# Altium PCB BPod Panel Due.PcbDoc (part 5 of 5)
Units mm, origin at the board's own origin, x right, y up, seen from the top; angles counter-clockwise.
Board outline 420 x 122 mm, 4 copper layers (Top Layer, Layer 2, Layer 3, Bottom Layer), stack 1.571 mm thick; 601 components, 454 nets, 1970 pads, 528 vias.
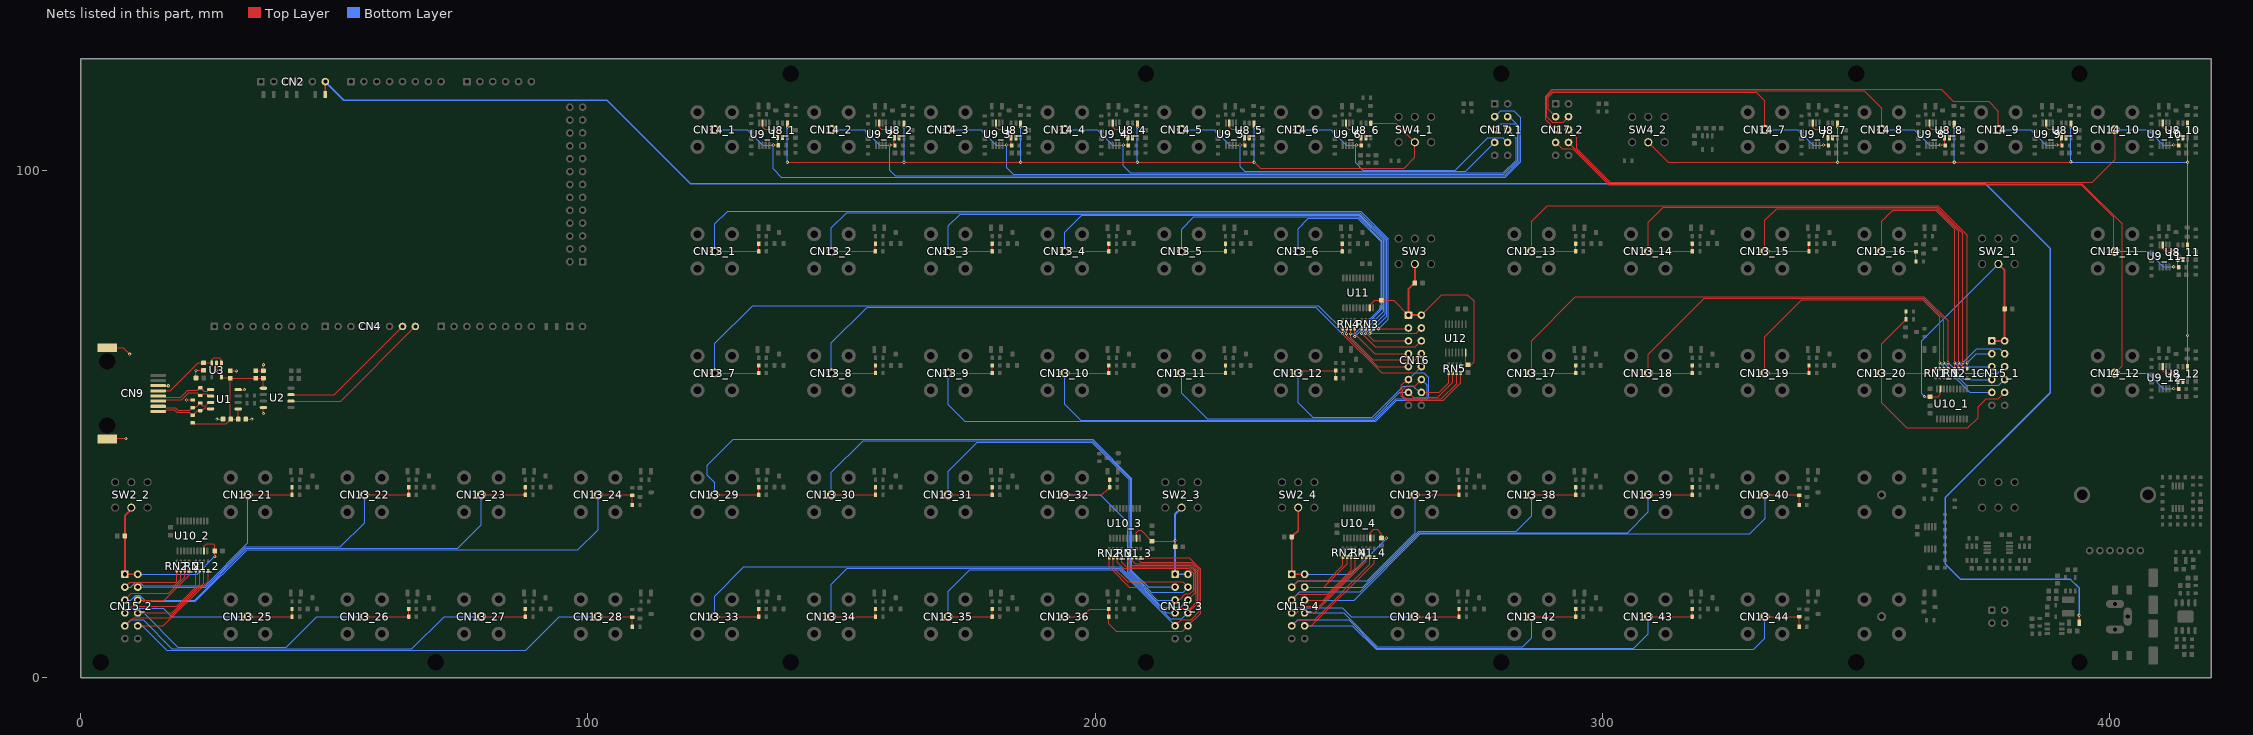
[diagram p7: the nets of this part, all layers, seen from the top]

## Via types
v1: diameter 0.61, hole 0.305, Top Layer to Bottom Layer, tented both sides, 522 vias
v2: diameter 0.5, hole 0.2, Top Layer to Bottom Layer, tented bottom, 6 vias

## Nets (pads, with @x,y where several pads share a name; then routed paths per layer and width w, separated by ;. In a path a pad name is that pad's centre, name@x,y a point inside that pad or via, vN(x,y) a via of type N, cw(c..) or ccw(c..) an arc to the next point about the centre after c; other vN are vias at no path point) (continued)
NetSW4_1_2: SW4_1.2 U8_1.1 U8_2.1 U8_3.1 U8_4.1 U8_5.1 U8_6.1 | length 176.9
  Top Layer w0.152: v1(139.3,101.55) v1(162.3,101.55) v1(208.3,101.55) v1(231.3,101.55) 232.5,100.35 260.85,100.35 263,102.5 SW4_1.2@263,105.5 259.225,109.275 U8_6.1@254.3,109.275 ; v1(139.3,108.5) U8_1.1@139.3,109.275 ; v1(162.3,108.5) U8_2.1@162.3,109.275 ; v1(185.3,108.5) U8_3.1@185.3,109.275 ; v1(208.3,108.5) U8_4.1@208.3,109.275 ; v1(231.3,108.5) U8_5.1@231.3,109.275
  Bottom Layer w0.152: v1(139.3,101.55) v1@139.3,108.475 ; v1(162.3,101.55) v1@162.3,108.475 ; v1(185.3,101.55) v1@185.3,108.475 ; v1(208.3,101.55) v1@208.3,108.475 ; v1(231.3,101.55) v1@231.3,108.475 ; v1(231.3,108.5) v1@231.325,108.475
NetSW4_2_2: SW4_2.2 U8_7.1 U8_8.1 U8_9.1 U8_10.1 U8_11.1 U8_12.1 | length 181.3
  Top Layer w0.152: SW4_2.2@309,105.5 312.95,101.55 v1(369.3,101.55) 369.342,101.591 392.229,101.591 v1(392.3,101.662) ; v1(346.3,108.5) U8_7.1@346.3,109.275 ; v1(369.3,108.5) U8_8.1@369.3,109.275 ; v1(392.3,108.5) U8_9.1@392.3,109.275 ; v1(415.3,60.5) U8_12.1@415.3,61.275 ; v1(415.3,84.5) U8_11.1@415.3,85.275 ; v1(415.3,108.5) U8_10.1@415.3,109.275
  Bottom Layer w0.152: v1(346.3,101.55) v1@346.3,108.475 ; v1(369.3,101.55) v1@369.3,108.475 ; v1@392.3,108.475 392.3,101.55 v1(415.3,101.55) ; v1@415.3,60.525 v1(415.3,67.45) v1(415.3,84.5) ; v1@415.3,84.525 v1(415.3,101.55) ; v1@415.3,108.475 v1(415.3,101.55)
NetU8_1_5: U8_1.5 U9_1.3 | length 5.7
  Top Layer w0.152: U9_1.3@134.425,109.3 134.431,109.294 134.431,108.494 134.85,108.075 136.925,108.075 138.35,106.65 U8_1.5@138.35,106.425
NetU8_2_5: U8_2.5 U9_2.3 | length 5.7
  Top Layer w0.152: U9_2.3@157.425,109.3 157.431,109.294 157.431,108.494 157.85,108.075 159.925,108.075 161.35,106.65 U8_2.5@161.35,106.425
NetU8_3_5: U8_3.5 U9_3.3 | length 5.7
  Top Layer w0.152: U9_3.3@180.425,109.3 180.431,109.294 180.431,108.494 180.85,108.075 182.925,108.075 184.35,106.65 U8_3.5@184.35,106.425
NetU8_4_5: U8_4.5 U9_4.3 | length 5.7
  Top Layer w0.152: U9_4.3@203.425,109.3 203.431,109.294 203.431,108.494 203.85,108.075 205.925,108.075 207.35,106.65 U8_4.5@207.35,106.425
NetU8_5_5: U8_5.5 U9_5.3 | length 5.7
  Top Layer w0.152: U9_5.3@226.425,109.3 226.431,109.294 226.431,108.494 226.85,108.075 228.925,108.075 230.35,106.65 U8_5.5@230.35,106.425
NetU8_6_5: U8_6.5 U9_6.3 | length 5.7
  Top Layer w0.152: U9_6.3@249.425,109.3 249.431,109.294 249.431,108.494 249.85,108.075 251.925,108.075 253.35,106.65 U8_6.5@253.35,106.425
NetU8_7_5: U8_7.5 U9_7.3 | length 5.7
  Top Layer w0.152: U9_7.3@341.425,109.3 341.431,109.294 341.431,108.494 341.85,108.075 343.925,108.075 345.35,106.65 U8_7.5@345.35,106.425
NetU8_8_5: U8_8.5 U9_8.3 | length 5.7
  Top Layer w0.152: U9_8.3@364.425,109.3 364.431,109.294 364.431,108.494 364.85,108.075 366.925,108.075 368.35,106.65 U8_8.5@368.35,106.425
NetU8_9_5: U8_9.5 U9_9.3 | length 5.7
  Top Layer w0.152: U9_9.3@387.425,109.3 387.431,109.294 387.431,108.494 387.85,108.075 389.925,108.075 391.35,106.65 U8_9.5@391.35,106.425
NetU8_10_5: U8_10.5 U9_10.3 | length 5.7
  Top Layer w0.152: U9_10.3@410.425,109.3 410.431,109.294 410.431,108.494 410.85,108.075 412.925,108.075 414.35,106.65 U8_10.5@414.35,106.425
NetU8_11_5: U8_11.5 U9_11.3 | length 5.7
  Top Layer w0.152: U9_11.3@410.425,85.3 410.431,85.294 410.431,84.494 410.85,84.075 412.925,84.075 414.35,82.65 U8_11.5@414.35,82.425
NetU8_12_5: U8_12.5 U9_12.3 | length 5.7
  Top Layer w0.152: U9_12.3@410.425,61.3 410.431,61.294 410.431,60.494 410.85,60.075 412.925,60.075 414.35,58.65 U8_12.5@414.35,58.425
RX_N: CN9.2 R2.1 R4.2 U1.7 | length 11.7
  Top Layer w0.13: CN9.2@15.275,53.46 16.52,53.46 16.811,53.169 18.689,53.169 19.148,52.71 21.518,52.71 22.045,53.236 22.736,53.236 23.25,53.75 23.25,53.841 23.509,54.1 R2.1@23.6,54.1 24.1,53.6 24.669,53.6 25.275,54.206 U1.7@25.625,54.206
RX_P: CN9.1 R1.1 R2.2 U1.8 | length 11.5
  Top Layer w0.13: CN9.1@15.275,52.444 16.52,52.444 16.811,52.735 18.509,52.735 18.968,52.275 21.416,52.275 21.991,51.7 R1.1@22.1,51.7 ; R1.1@22.191,51.7 22.45,51.959 22.45,51.989 23.039,52.579 23.579,52.579 23.793,52.793 24.125,52.793 24.465,53.133 24.889,53.133 25.086,52.936 U1.8@25.625,52.936
S5V: C5.2 C6.2 C7.2 C8.2 C12.2 R1.2 U1.1 U2.1 U3.5 | length 29.8
  Top Layer w0.152: R1.2@22.1,50.2 22.275,50.025 28.675,50.025 29.176,50.526 29.182,50.526 29.575,50.92 C5.2@29.575,50.925 29.55,50.95 29.55,58.9 C12.2@29.5,58.95 ; U3.5@27.75,59.25 27.913,59.088 29.363,59.088 C12.2@29.5,58.95 ; C5.2@29.7,50.925 C6.2@31.125,50.925 ; C6.2@31.075,50.925 U1.1@31.075,52.861 ; U1.1@31.075,52.936 U1.1@31.15,52.861 ; C6.2@31.125,50.9 C6.2@31.15,50.925 ; U2.1@36.025,57.015 C8.2@36.025,58.95 C12.2@29.5,58.95
SGND: C5.1 C6.1 C7.1 C8.1 C11.1 C12.1 C13.1 CN9.0 CN9.6 R4.1 U1.4 U2.4 U3.2 | length 25
  Top Layer w0.152: CN9.0@5.275,47 5.4,47.125 v1(8.95,47.125) ; CN9.0@5.275,65 8.425,65 v1(9.7,63.725) ; CN9.6@15.275,57.524 v1@17.251,57.524 ; v1(20.9,54.7) R4.1@22.1,54.7 ; C13.1@22.75,59.025 22.75,60.436 22.839,60.525 C11.1@24.25,60.525 ; v1@26.572,60.525 26.791,60.744 U3.2@26.791,61.944 ; v1(26.875,50.925) C5.1@28.075,50.925 ; C12.1@29.5,60.45 v1(30.7,60.45) ; U1.4@31.075,56.746 v1(32.275,56.746) ; C6.1@32.575,50.925 v1(33.775,50.925) ; C7.1@34.525,60.45 C8.1@36.025,60.45 v1(36.025,61.65) ; v1(36.025,52.005) U2.4@36.025,53.205
  other v1: 17.276,57.499 22.75,60.525 26.791,60.525
SIG_IO_CN0: CN13_1.1 CN16.3 R20_1.2 R22_1.2 RN3.8 | length 177.1
  Top Layer w0.152: CN13_1.1@125,83.998 R20_1.2@133.673,83.998 ; R20_1.2@133.675,84 R22_1.2@133.675,85.498 ; R22_1.2@133.675,85.403 R22_1.2@133.675,85.5 ; RN3.8@254.9,68.75 261.59,68.75 CN16.3@261.73,68.89
  Bottom Layer w0.152: CN13_1.1@125,84 125,89.4 127.518,91.918 252.288,91.918 257.722,86.484 257.722,70.622 v1(255.838,68.738)
SIG_IO_CN0_1: CN13_13.1 CN15_1.3 R20_13.2 R22_13.2 RN2_1.5 | length 137.5
  Top Layer w0.152: R20_13.2@294.673,84 CN13_13.1@286,84 286,89.889 289.057,92.946 366.015,92.946 371.825,87.135 v1(371.825,62.025) RN2_1.5@371.825,60.9 ; R20_13.2@294.675,84.002 R22_13.2@294.675,85.5 R22_13.2@294.675,85.403
  Bottom Layer w0.152: v1(371.825,62.025) 373.61,63.81 CN15_1.3@376.705,63.81
SIG_IO_CN0_2: CN13_21.1 CN15_2.3 R20_21.2 R22_21.2 RN2_2.5 | length 68.3
  Top Layer w0.152: CN15_2.3@8.73,17.81 9.683,18.763 18.773,18.763 18.975,18.965 RN2_2.5@18.975,21.075 ; 40.275,36 CN13_21.1@33,36 R20_21.2@41.675,36 R22_21.2@41.675,37.5 R22_21.2@41.675,37.4
  Bottom Layer w0.152: CN15_2.3@8.73,17.81 9.922,17.81 10.875,18.763 11.665,18.763 12.339,18.089 24.544,18.089 33,26.545 CN13_21.1@33,36
SIG_IO_CN0_3: CN13_29.1 CN15_3.3 R20_29.2 R22_29.2 RN2_3.5 | length 150
  Top Layer w0.152: CN13_29.1@125,36 R20_29.2@133.675,36 R22_29.2@133.675,37.5 ; RN2_3.5@202.775,23.6 202.775,21.825 203.1,21.5 203.1,21.45 206.74,17.81 CN15_3.3@215.73,17.81
  Bottom Layer w0.152: CN13_29.1@125,36 125,38.436 123.563,39.873 123.563,41.863 128.634,46.934 199.491,46.934 207.225,39.2 207.225,21.066 210.431,17.86 215.68,17.86 CN15_3.3@215.73,17.81
SIG_IO_CN0_4: CN13_37.1 CN15_4.3 R20_37.2 R22_37.2 RN2_4.5 | length 67.3
  Top Layer w0.152: CN15_4.3@238.73,17.81 240.024,19.104 245.779,19.104 248.825,22.15 RN2_4.5@248.825,23.7 ; 270.272,36 CN13_37.1@263,36 R20_37.2@271.675,36 R22_37.2@271.675,37.5 R22_37.2@271.675,37.403
  Bottom Layer w0.152: CN15_4.3@238.73,17.81 239.995,19.075 253.615,19.075 263.102,28.563 263.102,35.898 CN13_37.1@263,36
SIG_IO_CN1: CN13_2.1 CN16.4 R20_2.2 R22_2.2 RN3.7 | length 159.1
  Top Layer w0.152: CN13_2.1@147.965,83.998 R20_2.2@156.638,83.998 ; R20_2.2@156.64,84 R22_2.2@156.64,85.498 ; R22_2.2@156.675,85.403 R22_2.2@156.675,85.5 ; RN3.7@254.1,68.75 254.112,68.738 254.112,67.871 v1(254.125,67.858) ; v1@254.158,67.858 263.238,67.858 CN16.4@264.27,68.89
  Bottom Layer w0.152: CN13_2.1@148,84 148,88.625 151.013,91.638 252.172,91.638 257.443,86.368 257.443,71.176 v1(254.125,67.858)
SIG_IO_CN1_1: CN13_14.1 CN15_1.4 R20_14.2 R22_14.2 RN2_1.6 | length 117.7
  Top Layer w0.152: R20_14.2@317.673,84 CN13_14.1@309,84 309,89.7 311.966,92.666 365.899,92.666 371.025,87.54 v1(371.025,62.025) RN2_1.6@371.025,60.9 ; R20_14.2@317.675,84.002 R22_14.2@317.675,85.5 R22_14.2@317.675,85.403
  Bottom Layer w0.152: v1(371.025,62.025) 373.763,64.763 378.292,64.763 CN15_1.4@379.245,63.81
SIG_IO_CN1_2: CN13_22.1 CN15_2.4 R20_22.2 R22_22.2 RN2_2.6 | length 83.9
  Top Layer w0.152: CN15_2.4@11.27,17.81 18.215,17.81 19.775,19.37 RN2_2.6@19.775,21.075 ; 63.275,36 CN13_22.1@56,36 R20_22.2@64.675,36 R22_22.2@64.675,37.5 R22_22.2@64.675,37.4
  Bottom Layer w0.152: CN15_2.4@11.27,17.81 24.66,17.81 32.584,25.734 51.209,25.734 56,30.525 CN13_22.1@56,36
SIG_IO_CN1_3: CN13_30.1 CN15_3.4 R20_30.2 R22_30.2 RN2_3.6 | length 136.3
  Top Layer w0.152: 155.272,36 CN13_30.1@148,36 R20_30.2@156.675,36 R22_30.2@156.675,37.5 ; RN2_3.6@203.575,23.6 203.575,21.675 206.4,18.85 217.23,18.85 CN15_3.4@218.27,17.81
  Bottom Layer w0.152: CN13_30.1@148,36 148,40.425 154.229,46.654 199.375,46.654 206.946,39.084 206.946,20.95 211.046,16.85 217.31,16.85 CN15_3.4@218.27,17.81
SIG_IO_CN1_4: CN13_38.1 CN15_4.4 R20_38.2 R22_38.2 RN2_4.6 | length 83.8
  Top Layer w0.152: CN15_4.4@241.27,17.81 245.01,17.81 249.625,22.425 RN2_4.6@249.625,23.7 ; 293.272,36 CN13_38.1@286,36 R20_38.2@294.675,36 R22_38.2@294.675,37.5 R22_38.2@294.675,37.403
  Bottom Layer w0.152: CN15_4.4@241.27,17.81 252.745,17.81 263.785,28.85 282.95,28.85 286,31.9 CN13_38.1@286,36
SIG_IO_CN2: CN13_3.1 CN16.5 R20_3.2 R22_3.2 RN3.6 | length 135.4
  Top Layer w0.152: CN13_3.1@171,83.998 R20_3.2@179.673,83.998 ; R20_3.2@179.675,84 R22_3.2@179.675,85.498 ; R22_3.2@179.675,85.403 R22_3.2@179.675,85.5 ; v1@253.3,67.825 RN3.6@253.3,68.75 253.398,68.652 253.398,68.046 253.375,68.024 253.375,67.825 254.85,66.35 CN16.5@261.73,66.35
  Bottom Layer w0.152: CN13_3.1@171,84 171,89 173.359,91.359 252.056,91.359 257.163,86.252 257.163,71.688 v1(253.288,67.812)
SIG_IO_CN2_1: CN13_15.1 CN15_1.5 R20_15.2 R22_15.2 RN2_1.7 | length 91.2
  Top Layer w0.152: R20_15.2@340.673,84 CN13_15.1@332,84 332,90.1 334.287,92.387 365.783,92.387 369.937,88.233 370.225,87.945 v1(370.225,62.025) RN2_1.7@370.225,60.9 ; R20_15.2@340.675,84.002 R22_15.2@340.675,85.5 R22_15.2@340.675,85.403
  Bottom Layer w0.152: v1(370.225,62.025) 370.98,61.27 CN15_1.5@376.705,61.27
SIG_IO_CN2_2: CN13_23.1 CN15_2.5 R20_23.2 R22_23.2 RN2_2.7 | length 115.7
  Top Layer w0.152: CN15_2.5@8.73,15.27 10.035,16.575 17.375,16.575 20.575,19.775 RN2_2.7@20.575,21.075 ; 86.275,36 CN13_23.1@79,36 R20_23.2@87.675,36 R22_23.2@87.675,37.5 R22_23.2@87.675,37.4
  Bottom Layer w0.152: CN15_2.5@8.73,15.27 9.922,15.27 10.875,16.223 11.665,16.223 12.618,15.27 22.515,15.27 32.7,25.454 74.354,25.454 79,30.1 CN13_23.1@79,36
SIG_IO_CN2_3: CN13_31.1 CN15_3.5 R20_31.2 R22_31.2 RN2_3.7 | length 117.3
  Top Layer w0.152: 178.272,36 CN13_31.1@171,36 R20_31.2@179.675,36 R22_31.2@179.675,37.5 ; RN2_3.7@204.375,23.6 204.375,22.75 205.6,21.525 218.443,21.525 219.382,20.586 219.382,17.232 218.653,16.503 217.759,16.503 216.709,15.452 215.912,15.452 CN15_3.5@215.73,15.27
  Bottom Layer w0.152: CN13_31.1@171,36 171,40.65 176.725,46.375 199.26,46.375 206.666,38.969 206.666,20.834 212.231,15.27 CN15_3.5@215.73,15.27
SIG_IO_CN2_4: CN13_39.1 CN15_4.5 R20_39.2 R22_39.2 RN2_4.7 | length 115.1
  Top Layer w0.152: CN15_4.5@238.73,15.27 239.889,16.429 245.729,16.429 250.425,21.126 RN2_4.7@250.425,23.7 ; 316.272,36 CN13_39.1@309,36 R20_39.2@317.675,36 R22_39.2@317.675,37.5 R22_39.2@317.675,37.403
  Bottom Layer w0.152: CN15_4.5@238.73,15.27 240.317,16.857 252.187,16.857 263.9,28.571 304.946,28.571 309,32.625 CN13_39.1@309,36
SIG_IO_CN3: CN13_4.1 CN16.6 R20_4.2 R22_4.2 RN3.5 | length 114.8
  Top Layer w0.152: CN13_4.1@194,83.998 R20_4.2@202.673,83.998 ; R20_4.2@202.675,84 R22_4.2@202.675,85.498 ; R22_4.2@202.675,85.403 R22_4.2@202.675,85.5 ; RN3.5@252.5,68.75 252.5,67.825 255.175,65.15 263.07,65.15 CN16.6@264.27,66.35
  Bottom Layer w0.152: CN13_4.1@194,84 194,87.725 197.354,91.079 251.941,91.079 256.884,86.136 256.884,72.209 v1(252.488,67.812)
SIG_IO_CN3_1: CN13_16.1 CN15_1.6 R20_16.2 R22_16.2 RN2_1.8 | length 70.2
  Top Layer w0.152: R20_16.2@361.75,82 R22_16.2@361.75,83.9 361.65,84 CN13_16.1@355,84 355,89.95 357.157,92.107 365.668,92.107 369.425,88.35 v1(369.425,62.025) RN2_1.8@369.425,60.9
  Bottom Layer w0.152: v1(369.425,62.025) 371.5,59.95 377.925,59.95 CN15_1.6@379.245,61.27
SIG_IO_CN3_2: CN13_24.1 CN15_2.6 R20_24.2 R22_24.2 RN2_2.8 | length 125.3
  Top Layer w0.152: CN15_2.6@11.27,15.27 16.465,15.27 21.375,20.18 RN2_2.8@21.375,21.075 ; CN13_24.1@102,36 108.65,36 R22_24.2@108.75,35.9 R20_24.2@108.75,34
  Bottom Layer w0.152: CN15_2.6@11.27,15.27 12.223,15.27 12.502,14.991 22.631,14.991 32.815,25.175 98.025,25.175 102,29.15 CN13_24.1@102,36
SIG_IO_CN3_3: CN13_32.1 CN15_3.6 R20_32.2 R22_32.2 RN2_3.8 | length 73.1
  Top Layer w0.152: CN13_32.1@194,36 201.325,36 202.479,37.154 202.577,37.154 202.825,37.403 R22_32.2@202.825,39 ; RN2_3.8@205.175,23.6 205.175,22.75 206.075,21.85 218.665,21.85 219.662,20.853 219.662,16.662 CN15_3.6@218.27,15.27
  Bottom Layer w0.152: CN13_32.1@194,36 200.971,36 206.387,30.584 206.387,20.719 213.217,13.888 216.888,13.888 CN15_3.6@218.27,15.27
SIG_IO_CN3_4: CN13_40.1 CN15_4.6 R20_40.2 R22_40.2 RN2_4.8 | length 125.5
  Top Layer w0.152: CN15_4.6@241.27,15.27 244.964,15.27 251.225,21.531 RN2_4.8@251.225,23.7 ; CN13_40.1@332,36 R22_40.2@338.75,36 ; R20_40.2@338.75,34 R22_40.2@338.75,35.9
  Bottom Layer w0.152: CN15_4.6@241.27,15.27 250.995,15.27 264.016,28.291 328.991,28.291 332.05,31.35 332.05,35.95 CN13_40.1@332,36
SIG_IO_CN4: CN13_5.1 CN16.7 R20_5.2 R22_5.2 RN4.8 | length 91.9
  Top Layer w0.152: CN13_5.1@217,83.998 R20_5.2@225.673,83.998 ; R20_5.2@225.675,84 R22_5.2@225.675,85.498 ; R22_5.2@225.675,85.403 R22_5.2@225.675,85.5 ; v1(251.137,67.204) 251.392,67.458 ; RN4.8@251.15,68.75 251.15,68.09 251.392,67.848 251.392,67.458 ; CN16.7@261.73,63.81 255.04,63.81 251.392,67.459
  Bottom Layer w0.152: CN13_5.1@217,84 217,88.375 219.425,90.8 251.825,90.8 256.604,86.021 256.604,72.671 v1(251.137,67.204)
SIG_IO_CN4_1: CN13_17.1 CN15_1.7 R20_17.2 R22_17.2 RN1_1.5 | length 123.7
  Top Layer w0.152: R20_17.2@294.673,60 CN13_17.1@286,60 286,66.4 294.634,75.034 363.316,75.034 368.075,70.275 v1(368.075,62.025) RN1_1.5@368.075,60.9 ; R20_17.2@294.675,60.002 R22_17.2@294.675,61.5 R22_17.2@294.675,61.403
  Bottom Layer w0.152: v1(368.075,62.025) 371.37,58.73 CN15_1.7@376.705,58.73
SIG_IO_CN4_2: CN13_25.1 CN15_2.7 R20_25.2 R22_25.2 RN1_2.5 | length 62.2
  Top Layer w0.152: CN15_2.7@8.73,12.73 10.05,14.05 18.975,14.05 22.725,17.8 RN1_2.5@22.725,21.075 ; 40.272,12 CN13_25.1@33,12 R20_25.2@41.675,12 R22_25.2@41.675,13.5
  Bottom Layer w0.152: CN15_2.7@8.73,12.73 9.683,13.683 16.301,13.683 17.984,12 CN13_25.1@33,12
SIG_IO_CN4_3: CN13_33.1 CN15_3.7 R20_33.2 R22_33.2 RN1_3.5 | length 144.8
  Top Layer w0.152: 132.272,12 CN13_33.1@125,12 R20_33.2@133.675,12 R22_33.2@133.675,13.5 R22_33.2@133.675,13.403 ; RN1_3.5@206.525,23.6 206.525,22.625 207,22.15 218.76,22.15 219.941,20.969 219.941,14.796 218.828,13.683 216.683,13.683 CN15_3.7@215.73,12.73
  Bottom Layer w0.152: CN13_33.1@125,12 125,16.05 130.754,21.804 204.906,21.804 213.98,12.73 CN15_3.7@215.73,12.73
SIG_IO_CN4_4: CN13_41.1 CN15_4.7 R20_41.2 R22_41.2 RN1_4.5 | length 62.1
  Top Layer w0.152: CN15_4.7@238.73,12.73 238.789,12.789 239.709,12.789 240.949,14.029 244.119,14.029 252.575,22.485 RN1_4.5@252.575,23.7 ; 270.272,12 CN13_41.1@263,12 R20_41.2@271.675,12 R22_41.2@271.675,13.5 R22_41.2@271.675,13.403
  Bottom Layer w0.152: CN15_4.7@238.73,12.73 239.75,13.75 248.675,13.75 250.425,12 CN13_41.1@263,12
SIG_IO_CN5: CN13_6.1 CN16.8 R20_6.2 R22_6.2 RN4.7 | length 73
  Top Layer w0.152: CN13_6.1@240,83.998 R20_6.2@248.673,83.998 ; R20_6.2@248.675,84 R22_6.2@248.675,85.498 ; R22_6.2@248.675,85.403 R22_6.2@248.675,85.5 ; v1(250.337,67.712) 250.337,66.978 254.683,62.632 263.093,62.632 CN16.8@264.27,63.81 ; v1@250.35,67.712 RN4.7@250.35,68.75
  Bottom Layer w0.152: CN13_6.1@240,84 240,88.475 242.025,90.5 251.73,90.5 256.325,85.905 256.325,72.85 251.187,67.712 v1(250.337,67.712)
SIG_IO_CN5_1: CN13_18.1 CN15_1.8 R20_18.2 R22_18.2 RN1_1.6 | length 102.5
  Top Layer w0.152: R20_18.2@317.673,60 CN13_18.1@309,60 309,63.678 320.076,74.754 363.2,74.754 367.275,70.68 v1(367.275,62.025) RN1_1.6@367.275,60.9 ; R20_18.2@317.675,60.002 R22_18.2@317.675,61.5 R22_18.2@317.675,61.403
  Bottom Layer w0.152: v1(367.275,62.025) 371.7,57.6 378.115,57.6 CN15_1.8@379.245,58.73
SIG_IO_CN5_2: CN13_26.1 CN15_2.8 R20_26.2 R22_26.2 RN1_2.6 | length 85
  Top Layer w0.152: CN15_2.8@11.27,12.73 18.05,12.73 23.525,18.205 RN1_2.6@23.525,21.075 ; 63.272,12 CN13_26.1@56,12 R20_26.2@64.675,12 R22_26.2@64.675,13.5 R22_26.2@64.675,13.403
  Bottom Layer w0.152: CN15_2.8@11.27,12.73 12.42,12.73 19.175,5.975 40.575,5.975 46.6,12 CN13_26.1@56,12
SIG_IO_CN5_3: CN13_34.1 CN15_3.8 R20_34.2 R22_34.2 RN1_3.6 | length 123.6
  Top Layer w0.152: 155.272,12 CN13_34.1@148,12 R20_34.2@156.675,12 R22_34.2@156.675,13.5 R22_34.2@156.675,13.403 ; RN1_3.6@207.325,23.6 207.325,23.004 207.9,22.429 218.875,22.429 220.221,21.084 220.221,14.681 CN15_3.8@218.27,12.73
  Bottom Layer w0.152: CN13_34.1@148,12 148,18.425 151.1,21.525 204.79,21.525 214.765,11.55 217.09,11.55 CN15_3.8@218.27,12.73
SIG_IO_CN5_4: CN13_42.1 CN15_4.8 R20_42.2 R22_42.2 RN1_4.6 | length 87
  Top Layer w0.152: CN15_4.8@241.27,12.73 243.215,12.73 253.375,22.89 RN1_4.6@253.375,23.7 ; 293.272,12 CN13_42.1@286,12 R20_42.2@294.675,12 R22_42.2@294.675,13.5 R22_42.2@294.675,13.403
  Bottom Layer w0.152: CN15_4.8@241.27,12.73 248.935,12.73 255.581,6.084 284.209,6.084 286,7.875 CN13_42.1@286,12
SIG_IO_CN6: CN13_7.1 CN16.9 R20_7.2 R22_7.2 RN4.6 | length 162.2
  Top Layer w0.152: CN13_7.1@125,60 133.673,60 R20_7.2@133.675,60.002 R22_7.2@133.675,61.5 R22_7.2@133.675,61.403 ; v1(249.537,67.712) 249.597,67.653 249.597,67.323 255.65,61.27 CN16.9@261.73,61.27 ; v1@249.55,67.712 RN4.6@249.55,68.75
  Bottom Layer w0.152: CN13_7.1@125,60 125,65.85 132.457,73.307 243.943,73.307 v1(249.537,67.712)
SIG_IO_CN6_1: CN13_19.1 CN15_1.9 R20_19.2 R22_19.2 RN1_1.7 | length 79.2
  Top Layer w0.152: R20_19.2@340.673,60 CN13_19.1@332,60 332,67.199 339.276,74.475 363.085,74.475 366.475,71.085 v1(366.475,62.025) RN1_1.7@366.475,60.9 ; R20_19.2@340.675,60.002 R22_19.2@340.675,61.5 R22_19.2@340.675,61.403
  Bottom Layer w0.152: v1(366.475,62.025) 372.31,56.19 CN15_1.9@376.705,56.19
SIG_IO_CN6_2: CN13_27.1 CN15_2.9 R20_27.2 R22_27.2 RN1_2.7 | length 107.4
  Top Layer w0.152: CN15_2.9@8.73,10.19 8.915,10.19 10.502,11.777 17.502,11.777 24.325,18.6 RN1_2.7@24.325,21.075 ; CN13_27.1@79,12 R20_27.2@87.675,12 R22_27.2@87.675,13.5
  Bottom Layer w0.152: CN15_2.9@8.73,10.19 9.89,11.35 12.325,11.35 18,5.675 65.325,5.675 71.65,12 CN13_27.1@79,12
SIG_IO_CN6_3: CN13_35.1 CN15_3.9 R20_35.2 R22_35.2 RN1_3.7 | length 101.1
  Top Layer w0.152: 178.272,12 CN13_35.1@171,12 R20_35.2@179.675,12 R22_35.2@179.675,13.5 R22_35.2@179.675,13.403 ; RN1_3.7@208.125,23.6 208.125,23.526 208.926,22.725 218.975,22.725 220.5,21.2 220.5,13.025 218.9,11.425 216.965,11.425 CN15_3.9@215.73,10.19
  Bottom Layer w0.152: CN13_35.1@171,12 171,16.975 175.25,21.225 204.695,21.225 CN15_3.9@215.73,10.19
SIG_IO_CN6_4: CN13_43.1 CN15_4.9 R20_43.2 R22_43.2 RN1_4.7 | length 109.7
  Top Layer w0.152: CN15_4.9@238.73,10.19 239.969,11.429 243.254,11.429 254.105,22.28 254.105,23.63 RN1_4.7@254.175,23.7 ; CN13_43.1@309,12 R20_43.2@317.675,12 R22_43.2@317.675,13.5 R22_43.2@317.675,13.403
  Bottom Layer w0.152: CN15_4.9@238.73,10.19 239.89,11.35 249.92,11.35 255.466,5.804 306.129,5.804 309,8.675 CN13_43.1@309,12
SIG_IO_CN7: CN13_8.1 CN16.10 R20_8.2 R22_8.2 RN4.5 | length 142.3
  Top Layer w0.152: CN13_8.1@148,60 R20_8.2@156.673,60 ; R20_8.2@156.675,60.002 R22_8.2@156.675,61.5 R22_8.2@156.675,61.403 ; RN4.5@248.75,68.75 248.737,68.738 248.737,67.812 v1(248.725,67.8) 256.462,60.063 263.063,60.063 CN16.10@264.27,61.27
  Bottom Layer w0.152: CN13_8.1@148,60 148,65.975 155.053,73.028 243.497,73.028 v1(248.725,67.8)
SIG_IO_CN7_1: CN13_20.1 CN15_1.10 R20_20.2 R22_20.2 RN1_1.8 | length 61.4
  Top Layer w0.152: R20_20.2@359.775,72.125 R22_20.2@359.775,70.625 359.775,70.525 355,65.75 CN13_20.1@355,60 ; RN1_1.8@365.675,60.9 364.525,60.9 363.625,60 CN13_20.1@355,60 ; CN15_1.10@379.245,56.19 378.005,54.95 375.6,54.95 374,53.35 374,51.225 372,49.225 359.975,49.225 355,54.2 CN13_20.1@355,60
SIG_IO_CN7_2: CN13_28.1 CN15_2.10 R20_28.2 R22_28.2 RN1_2.8 | length 123.7
  Top Layer w0.152: CN15_2.10@11.27,10.19 16.34,10.19 25.125,18.975 RN1_2.8@25.125,21.075 ; CN13_28.1@102,12 108.65,12 R22_28.2@108.75,11.9 R20_28.2@108.75,10
  Bottom Layer w0.152: CN15_2.10@11.27,10.19 12.223,10.19 12.278,10.135 17.017,5.396 87.771,5.396 94.375,12 CN13_28.1@102,12
SIG_IO_CN7_3: CN13_36.1 CN15_3.10 R20_36.2 R22_36.2 RN1_3.8 | length 53.8
  Top Layer w0.152: CN13_36.1@194,12 197.425,12 198.925,13.5 R22_36.2@202.675,13.5 R20_36.2@202.675,12 202.675,10.625 204.175,9.125 217.205,9.125 CN15_3.10@218.27,10.19 220.779,12.699 220.779,21.316 218.495,23.6 RN1_3.8@208.925,23.6
SIG_IO_CN7_4: CN13_44.1 CN15_4.10 R20_44.2 R22_44.2 RN1_4.8 | length 126.6
  Top Layer w0.152: CN15_4.10@241.27,10.19 242.615,10.19 254.975,22.55 RN1_4.8@254.975,23.7 ; CN13_44.1@332,12 R22_44.2@338.75,12 ; R20_44.2@338.75,10.1 R22_44.2@338.75,12 ; R22_44.2@338.75,12.125 R22_44.2@338.75,12
  Bottom Layer w0.152: CN15_4.10@241.27,10.19 250.685,10.19 255.35,5.525 329.75,5.525 332,7.775 CN13_44.1@332,12
SIG_IO_CN8: CN13_9.1 CN16.11 R20_9.2 R22_9.2 RN5.8 | length 142.7
  Top Layer w0.152: CN13_9.1@171,60 R20_9.2@179.673,60 ; R20_9.2@179.675,60.002 R22_9.2@179.675,61.5 R22_9.2@179.675,61.403 ; CN16.11@261.73,58.73 261.48,58.73 260.346,57.596 260.346,55.459 260.375,55.43 260.375,55.4 261.15,54.625 268.6,54.625 272.05,58.075 RN5.8@272.05,59.975
  Bottom Layer w0.152: CN13_9.1@171,60 171,53.725 174.25,50.475 255.275,50.475 259.446,54.646 265.091,54.646 265.704,55.259 265.704,59.116 264.77,60.05 263.05,60.05 CN16.11@261.73,58.73
SIG_IO_CN9: CN13_10.1 CN16.12 R20_10.2 R22_10.2 RN5.7 | length 114.7
  Top Layer w0.152: CN13_10.1@194,60 R20_10.2@202.673,60 ; R20_10.2@202.675,60.002 R22_10.2@202.675,61.5 R22_10.2@202.675,61.403 ; CN16.12@264.27,58.73 263.04,57.5 261.425,57.5 260.625,56.7 260.625,55.575 261.296,54.904 268.204,54.904 271.25,57.95 RN5.7@271.25,59.975
  Bottom Layer w0.152: CN13_10.1@194,60 194,53.854 197.1,50.754 255.104,50.754 259.275,54.925 264.975,54.925 265.425,55.375 265.425,57.575 CN16.12@264.27,58.73
SIG_IO_CN10: CN13_11.1 CN16.13 R20_11.2 R22_11.2 RN5.6 | length 75.2
  Top Layer w0.152: CN13_11.1@217,60 R20_11.2@225.673,60 ; R20_11.2@225.675,60.002 R22_11.2@225.675,61.5 R22_11.2@225.675,61.403 ; CN16.13@261.73,56.19 262.683,55.237 267.462,55.237 270.45,58.225 RN5.6@270.45,59.975
  Bottom Layer w0.152: CN13_11.1@217,60 217,56.075 222.041,51.034 254.859,51.034 260.015,56.19 CN16.13@261.73,56.19
SIG_IO_CN11: CN13_12.1 CN16.14 R20_12.2 R22_12.2 RN5.5 | length 51.5
  Top Layer w0.152: CN13_12.1@240,60 240.413,60 240.913,60.5 R22_12.2@247.4,60.5 ; R20_12.2@247.4,59 R22_12.2@247.4,60.498 ; CN16.14@264.27,56.19 267.79,56.19 269.65,58.05 RN5.5@269.65,59.975
  Bottom Layer w0.152: CN13_12.1@240,60 240,54.15 242.837,51.313 254.577,51.313 260.689,57.425 262.67,57.425 263.905,56.19 CN16.14@264.27,56.19
SIG_THRU_A0_1: CN14_1.1 CN17_1.3 R24_1.2 U8_1.4 | length 184
  Top Layer w0.152: v1(136.525,104.963) R24_1.2@137.463,104.963 ; U8_1.4@137.4,106.425 137.4,105.025 R24_1.2@137.463,104.963 ; R24_1.2@137.525,104.9 R24_1.2@137.463,104.963
  Bottom Layer w0.152: CN14_1.1@125,108 131.425,108 134.475,104.95 136.513,104.95 v1(136.525,104.963) 136.525,100.25 138.15,98.625 280.785,98.625 283.813,101.653 283.813,110.312 282.438,111.687 279.877,111.687 CN17_1.3@278.73,110.54
SIG_THRU_A0_2: CN14_7.1 CN17_2.3 R24_7.2 U8_7.4 | length 69.2
  Top Layer w0.152: CN17_2.3@290.73,110.54 289.309,111.961 289.309,114.384 290.3,115.375 330.3,115.375 332,113.675 CN14_7.1@332,108 ; v1(343.525,104.963) R24_7.2@344.463,104.963 ; U8_7.4@344.4,106.425 344.4,105.025 R24_7.2@344.463,104.963 ; R24_7.2@344.525,104.9 R24_7.2@344.463,104.963
  Bottom Layer w0.152: CN14_7.1@332,108 338.425,108 341.475,104.95 343.512,104.95 v1(343.525,104.963)
SIG_THRU_A1_1: CN14_2.1 CN17_1.4 R24_2.2 U8_2.4 | length 155.8
  Top Layer w0.152: v1(159.525,104.963) R24_2.2@160.463,104.963 ; U8_2.4@160.4,106.425 U8_2.4@160.4,106.4 160.4,105.025 R24_2.2@160.463,104.963 ; R24_2.2@160.525,104.9 R24_2.2@160.463,104.963
  Bottom Layer w0.152: CN14_2.1@148,108 154.425,108 157.475,104.95 159.513,104.95 v1(159.525,104.963) 159.525,99.975 160.596,98.904 280.67,98.904 283.534,101.769 283.534,108.561 281.555,110.54 CN17_1.4@281.27,110.54
SIG_THRU_A1_2: CN14_8.1 CN17_2.4 R24_8.2 U8_8.4 | length 96.5
  Top Layer w0.152: CN17_2.4@293.27,110.54 292.205,109.475 290.05,109.475 289.029,110.496 289.029,114.5 290.184,115.654 351.546,115.654 355,112.2 CN14_8.1@355,108 ; v1(366.525,104.963) R24_8.2@367.463,104.963 ; U8_8.4@367.4,106.425 367.4,105.025 R24_8.2@367.463,104.963 ; R24_8.2@367.525,104.9 R24_8.2@367.463,104.963
  Bottom Layer w0.152: CN14_8.1@355,108 361.425,108 364.475,104.95 366.512,104.95 v1(366.525,104.963)
SIG_THRU_A2_1: CN14_3.1 CN17_1.5 R24_3.2 U8_3.4 | length 134
  Top Layer w0.152: v1(182.525,104.963) R24_3.2@183.463,104.963 ; U8_3.4@183.4,106.425 183.4,105.025 R24_3.2@183.463,104.963 ; R24_3.2@183.525,104.9 R24_3.2@183.463,104.963
  Bottom Layer w0.152: CN14_3.1@171,108 177.425,108 180.475,104.95 182.513,104.95 v1(182.525,104.963) 182.525,100.509 183.85,99.184 280.554,99.184 283.254,101.884 283.254,108.446 282.55,109.15 279.88,109.15 CN17_1.5@278.73,108
SIG_THRU_A2_2: CN14_9.1 CN17_2.5 R24_9.2 U8_9.4 | length 118
  Top Layer w0.152: CN17_2.5@290.73,108 288.75,109.98 288.75,114.615 290.069,115.934 366.716,115.934 369.075,113.575 376.075,113.575 378,111.65 CN14_9.1@378,108 ; v1(389.525,104.963) R24_9.2@390.463,104.963 ; U8_9.4@390.4,106.425 390.4,105.025 R24_9.2@390.463,104.963 ; R24_9.2@390.525,104.9 R24_9.2@390.463,104.963
  Bottom Layer w0.152: CN14_9.1@378,108 384.425,108 387.475,104.95 389.512,104.95 v1(389.525,104.963)
SIG_THRU_A3_1: CN14_4.1 CN17_1.6 R24_4.2 U8_4.4 | length 105.2
  Top Layer w0.152: v1(205.525,104.963) R24_4.2@206.463,104.963 ; U8_4.4@206.4,106.425 U8_4.4@206.4,106.4 206.4,105.025 R24_4.2@206.463,104.963 ; R24_4.2@206.525,104.9 R24_4.2@206.463,104.963
  Bottom Layer w0.152: CN14_4.1@194,108 200.425,108 203.475,104.95 205.512,104.95 v1(205.525,104.963) 205.525,100.85 206.912,99.463 280.438,99.463 282.975,102 282.975,106.295 CN17_1.6@281.27,108
SIG_THRU_A3_2: CN14_10.1 CN17_2.6 R24_10.2 U8_10.4 | length 136.3
  Top Layer w0.152: CN17_2.6@293.27,108 294.925,106.345 294.925,104.2 301.491,97.634 396.484,97.634 401,102.15 CN14_10.1@401,108 ; v1(412.525,104.963) R24_10.2@413.463,104.963 ; U8_10.4@413.4,106.425 413.4,105.025 R24_10.2@413.463,104.963 ; R24_10.2@413.525,104.9 R24_10.2@413.463,104.963
  Bottom Layer w0.152: CN14_10.1@401,108 407.425,108 410.475,104.95 412.512,104.95 v1(412.525,104.963)
SIG_THRU_A4_1: CN14_5.1 CN17_1.7 R24_5.2 U8_5.4 | length 72.6
  Top Layer w0.152: v1(228.525,104.963) R24_5.2@229.463,104.963 ; U8_5.4@229.4,106.425 U8_5.4@229.4,106.4 229.4,105.025 R24_5.2@229.463,104.963 ; R24_5.2@229.525,104.9 R24_5.2@229.463,104.963
  Bottom Layer w0.152: CN14_5.1@217,108 223.425,108 226.475,104.95 228.512,104.95 v1(228.525,104.963) 228.525,100.638 229.421,99.743 273.013,99.743 CN17_1.7@278.73,105.46
SIG_THRU_A4_2: CN14_11.1 CN17_2.7 R24_11.2 U8_11.4 | length 138.2
  Top Layer w0.152: CN17_2.7@290.73,105.46 292.015,104.175 294.075,104.175 301.175,97.075 394.35,97.075 400.721,90.704 400.721,84.279 CN14_11.1@401,84 ; v1(412.525,80.963) R24_11.2@413.463,80.963 ; U8_11.4@413.4,82.425 413.4,81.025 R24_11.2@413.463,80.963 ; R24_11.2@413.525,80.9 R24_11.2@413.463,80.963
  Bottom Layer w0.152: CN14_11.1@401,84 407.425,84 410.475,80.95 412.513,80.95 v1(412.525,80.963)
SIG_THRU_A5_1: CN14_6.1 CN17_1.8 R24_6.2 U8_6.4 | length 52.3
  Top Layer w0.152: v1(251.45,104.963) 252.112,104.963 252.2,104.875 252.4,105.075 U8_6.4@252.4,106.4
  Bottom Layer w0.152: CN14_6.1@240,108 246.425,108 249.475,104.95 v1@251.3,104.95 ; v1@251.3,104.963 v1@251.3,104.95 ; v1@251.525,104.963 251.512,104.95 v1@251.3,104.95 ; CN17_1.8@281.27,105.46 280.317,106.413 277.363,106.413 270.972,100.022 252.721,100.022 251.3,101.443 v1@251.3,104.95
SIG_THRU_A5_2: CN14_12.1 CN17_2.8 R24_12.2 U8_12.4 | length 161.1
  Top Layer w0.152: CN17_2.8@293.27,105.46 301.376,97.354 394.466,97.354 402.403,89.417 402.403,61.403 CN14_12.1@401,60 ; v1(412.525,56.963) R24_12.2@413.463,56.963 ; U8_12.4@413.4,58.425 413.4,57.025 R24_12.2@413.463,56.963 ; R24_12.2@413.525,56.9 R24_12.2@413.463,56.963
  Bottom Layer w0.152: CN14_12.1@401,60 407.425,60 410.475,56.95 412.513,56.95 v1(412.525,56.963)
SVCC: C11.2 CN9.5 U3.1 U3.3 | length 16.5
  Top Layer w0.152: CN9.5@15.275,56.508 17.683,56.508 23.2,62.025 C11.2@24.25,62.025 24.275,62 25.8,62 U3.3@25.85,61.95 25.85,62.6 26.3,63.05 27.301,63.05 27.75,62.601 U3.1@27.75,61.95
TX_N: CN9.3 R6.2 U1.6 | length 11.6
  Top Layer w0.13: CN9.3@15.275,54.476 16.52,54.476 16.811,54.767 19.905,54.767 21.278,56.14 22.974,56.14 23.24,55.874 23.24,55.869 23.509,55.6 23.709,55.6 24.087,55.978 24.825,55.978 25.327,55.476 U1.6@25.625,55.476
TX_P: CN9.4 R6.1 U1.5 | length 11.8
  Top Layer w0.13: CN9.4@15.275,55.492 16.52,55.492 16.811,55.201 19.725,55.201 21.098,56.575 22.984,56.575 23.509,57.1 23.697,57.1 24.138,56.66 24.138,56.516 24.241,56.413 24.941,56.413 25.275,56.746 U1.5@25.625,56.746
UART.RXD: CN4.8 U2.6 | length 30.6
  Top Layer w0.152: U2.6@41.475,54.475 51.273,54.475 CN4.8@65.996,69.198
UART.TXD: CN4.7 U2.7 | length 27.6
  Top Layer w0.152: U2.7@41.475,55.745 50.003,55.745 CN4.7@63.456,69.198
VCOM+: C27.2 C28.2 C29.2 CN16.1 CN16.2 SW3.2 U11.19 U12.14 | length 51.5
  Top Layer w0.152: U11.19@254.1,72.875 254.1,73.35 255.125,74.375 C28.2@256.35,74.375 258.785,74.375 CN16.1@261.73,71.43 ; CN16.2@264.27,71.43 268.315,75.475 273.3,75.475 274.65,74.125 274.65,62.2 274.089,61.639 273.455,61.639 272.975,62.12 U12.14@272.975,64.05
  Top Layer w0.381: SW3.2@263,81.5 263,77.725 262.741,77.465 262.716,77.465 261.73,76.48 CN16.1@261.73,71.43 CN16.2@264.27,71.43
VCOM+_1: C23_1.2 C24_1.2 CN15_1.1 CN15_1.2 SW2_1.2 U10_1.19 | length 55.2
  Top Layer w0.152: v1(363.45,55.375) C23_1.2@364.55,55.375 366.15,55.375 366.575,55.8 U10_1.19@366.575,56.875
  Top Layer w0.381: CN15_1.1@376.705,66.35 CN15_1.2@379.245,66.35 C24_1.2@379.245,72.657 379.245,80.255 SW2_1.2@378,81.5
  Bottom Layer w0.152: v1(363.45,55.375) 362.879,55.946 362.879,66.379 SW2_1.2@378,81.5
VCOM+_2: C23_2.2 C24_2.2 CN15_2.1 CN15_2.2 SW2_2.2 U10_2.19 | length 38.5
  Top Layer w0.152: U10_2.19@24.325,24.95 24.325,25.9 24.825,26.4 26.175,26.4 26.475,26.1 C23_2.2@26.475,24.95 v1(26.475,23.875)
  Top Layer w0.381: SW2_2.2@10,33.5 10,33.2 8.73,31.93 8.73,22.75 CN15_2.1@8.73,20.35 CN15_2.2@11.27,20.35
  Bottom Layer w0.152: CN15_2.2@11.27,20.35 22.95,20.35 v1(26.475,23.875)
VCOM+_3: C23_3.2 C24_3.2 CN15_3.1 CN15_3.2 SW2_3.2 U10_3.19 | length 27.2
  Top Layer w0.152: U10_3.19@208.125,27.45 208.125,28.55 208.575,29 209.025,29 211.125,26.9 C23_3.2@211.15,26.9 v1@215.725,26.9 ; C24_3.2@215.725,25.775 v1@215.725,26.9 ; v1(215.725,26.975) v1@215.725,26.9
  Bottom Layer w0.381: SW2_3.2@217,33.5 215.73,32.23 CN15_3.1@215.73,20.35 CN15_3.2@218.27,20.35
VCOM+_4: C23_4.2 C24_4.2 CN15_4.1 CN15_4.2 SW2_4.2 U10_4.19 | length 41
  Top Layer w0.152: U10_4.19@254.225,27.5 254.225,28.55 254.85,29.175 255.55,29.175 256.4,28.325 C23_4.2@256.4,27.5 v1(257.375,27.5)
  Top Layer w0.381: SW2_4.2@240,33.5 240,28.95 239.06,28.009 238.99,28.009 238.73,27.75 CN15_4.1@238.73,20.35 CN15_4.2@241.27,20.35
  Bottom Layer w0.152: CN15_4.2@241.27,20.35 250.225,20.35 ; 250.375,20.35 v1@257.525,27.5
VIN: C3.1 CN2.6 FB2.1 | length 462.1
  Top Layer w0.305: C3.1@48.216,114.875 CN2.6@48.216,117.443 ; FB2.1@393.925,10.8 v1(393.925,12.275)
  Bottom Layer w0.305: CN2.6@48.216,117.443 51.859,113.8 103.751,113.8 120.226,97.325 375.447,97.325 388.211,84.561 388.211,56.15 367.5,35.439 367.5,22.425 370.6,19.325 392.225,19.325 393.925,17.625 v1@393.925,12.284
pads on no net: CN1.1 CN2.1 CN9. CN9.7 CN9.8 R33.0 U4.6 U7.6 U12.6 U12.9 U15.4

## Polygon pours and split planes (outlines as drawn)
GND on Layer 2 "GND_L02_P015" (solid, remove dead copper, pour order 15): 420,0 420,122 0,122 0,66.625 38.177,66.625 39.818,64.984 39.946,49.491 38.375,48 20.725,48 16.7,44 0,44 0,0
SGND on Layer 2 "SGND_L02_P016" (solid, remove dead copper, pour order 16): 40,44 40,66.65 0,66.65 0,44
5V on Layer 3 "5V_L03_P017" (solid, remove dead copper, pour order 17): 420,0 420,122 0,122 0,66.625 38.177,66.625 39.818,64.984 39.946,49.491 38.375,48 20.725,48 16.7,44 0,44 0,0
GND on Bottom Layer "GND_L04_P018" (solid, remove dead copper, pour order 18): 420,0 420,122 0,122 0,66.625 38.177,66.625 39.818,64.984 39.946,49.491 38.375,48 20.725,48 16.7,44 0,44 0,0
GND on Top Layer "GND_L01_P019" (solid, remove dead copper, pour order 19): 420,0 420,122 0,122 0,66.625 38.177,66.625 39.818,64.984 39.946,49.491 38.375,48 20.725,48 16.7,44 0,44 0,0

## Other copper
Top Layer:
  region net 5V: 41.525,118.025 41.525,114.3 42.525,113.3 44.5,113.3 44.825,112.975 44.825,110.4 44.525,110.1 40.075,110.1 39.7,110.475 39.7,117.975 39.95,118.225 41.325,118.225

## Silkscreen, mask and mechanical layers (free items; w line width, h text height)
Top Overlay:
  drawing of 25 lines, arcs and shapes, not listed
  text "A0" at 121.9,114.5 h3.5
  text "A1" at 144.9,114.5 h3.5
  text "A2" at 167.9,114.5 h3.5
  text "A3" at 190.688,114.5 h3.5
  text "A4" at 213.784,114.5 h3.5
  text "A5" at 236.9,114.5 h3.5
  text "3V3" at 255.4,114.5 h3.5
  text "5V" at 264.4,114.5 h3.5
  text "3V3" at 301.4,114.5 h3.5
  text "5V" at 310.4,114.5 h3.5
  text "A6" at 328.9,114.5 h3.5
  text "A7" at 351.911,114.5 h3.5
  text "A8" at 374.907,114.5 h3.5
  text "A9" at 397.9,114.5 h3.5
  text "V+" at 274.99,112.28 h1.6
  text "V+" at 282.61,112.28 h1.6
  text "V+" at 286.99,112.28 h1.6
  text "V+" at 294.61,112.28 h1.6
  text "A0" at 274.99,109.717 h1.6
  text "A6" at 286.99,109.717 h1.6
  text "A1" at 282.61,109.708 h1.6
  text "A7" at 294.61,109.708 h1.6
  text "A2" at 274.99,107.142 h1.6
  text "A3" at 282.61,107.137 h1.6
  text "A8" at 286.99,107.142 h1.6
  text "A9" at 294.61,107.137 h1.6
  text "A4" at 274.99,104.568 h1.6
  text "A5" at 282.61,104.565 h1.6
  text "A10" at 286.99,104.568 h1.4
  text "A11" at 294.61,104.565 h1.4
  text "GND" at 274.99,102.12 h1.2
  text "GND" at 282.61,102.12 h1.2
  text "GND" at 286.99,102.12 h1.2
  text "GND" at 294.61,102.12 h1.2
  text "D2" at 121.9,90.5 h3.5
  text "D3" at 144.9,90.5 h3.5
  text "D4" at 167.9,90.5 h3.5
  text "D5" at 190.9,90.5 h3.5
  text "D6" at 213.9,90.5 h3.5
  text "D7" at 236.9,90.5 h3.5
  text "3V3" at 255.4,90.5 h3.5
  text "5V" at 264.4,90.5 h3.5
  text "D14" at 282.9,90.5 h3.5
  text "D15" at 305.9,90.5 h3.5
  text "D16" at 328.9,90.5 h3.5
  text "D17" at 351.9,90.5 h3.5
  text "3V3" at 370.4,90.5 h3.5
  text "5V" at 379.4,90.5 h3.5
  text "A10" at 397.9,90.5 h3.5
  text "V+" at 257.99,70.63 h1.6
  text "V+" at 265.61,70.63 h1.6
  text "2" at 257.99,68.067 h1.6
  text "3" at 265.61,68.058 h1.6
  text "D8" at 121.9,66.5 h3.5
  text "D9" at 144.9,66.5 h3.5
  text "D10" at 167.9,66.5 h3.5
  text "D11" at 190.9,66.5 h3.5
  text "D12" at 213.9,66.5 h3.5
  text "D13" at 236.9,66.5 h3.5
  text "D18" at 282.9,66.5 h3.5
  text "D19" at 305.9,66.5 h3.5
  text "D20" at 328.9,66.5 h3.5
  text "D21" at 351.9,66.5 h3.5
  text "A11" at 397.9,66.5 h3.5
  text "V+" at 372.965,65.55 h1.6
  text "V+" at 380.585,65.55 h1.6
  text "4" at 257.99,65.492 h1.6
  text "5" at 265.61,65.487 h1.6
  text "14" at 372.965,62.987 h1.6
  text "15" at 380.585,62.978 h1.6
  text "6" at 257.99,62.918 h1.6
  text "7" at 265.61,62.915 h1.6
  text "8" at 258.04,60.47 h1.6
  text "9" at 265.61,60.47 h1.6
  text "16" at 372.965,60.412 h1.6
  text "17" at 380.585,60.407 h1.6
  text "10" at 257.99,57.93 h1.6
  text "11" at 265.61,57.93 h1.6
  text "18" at 372.965,57.838 h1.6
  text "19" at 380.585,57.835 h1.6
  text "12" at 257.99,55.39 h1.6
  text "13" at 265.61,55.39 h1.6
  text "20" at 372.965,55.39 h1.6
  text "21" at 380.585,55.39 h1.6
  text "Bpod Panel Due" at 85.27,54.88 h2
  text "FabLabs 2025" at 85.27,52.875 h2
  text "GND" at 257.99,52.85 h1.2
  text "GND" at 265.61,52.85 h1.2
  text "GND" at 372.965,52.85 h1.2
  text "GND" at 380.585,52.85 h1.2
  text "3V3" at 2.4,42.5 h3.5
  text "5V" at 11.4,42.5 h3.5
  text "D30" at 29.9,42.5 h3.5
  text "D31" at 52.9,42.5 h3.5
  text "D32" at 75.9,42.5 h3.5
  text "D33" at 98.9,42.5 h3.5
  text "D38" at 121.9,42.5 h3.5
  text "D39" at 144.9,42.5 h3.5
  text "D40" at 167.9,42.5 h3.5
  text "D41" at 190.9,42.5 h3.5
  text "3V3" at 209.4,42.5 h3.5
  text "5V" at 218.4,42.5 h3.5
  text "3V3" at 232.4,42.5 h3.5
  text "5V" at 241.4,42.5 h3.5
  text "D46" at 259.9,42.5 h3.5
  text "D47" at 282.9,42.5 h3.5
  text "D48" at 305.9,42.5 h3.5
  text "D49" at 328.9,42.5 h3.5
  text "DAC0" at 350.75,42.5 h3.5
  text "3V3" at 370.4,42.5 h3.5
  text "5V" at 379.4,42.5 h3.5
  text "VOLUME" at 394,42.5 h3.5
  text "V+" at 4.99,19.55 h1.6
  text "V+" at 12.61,19.55 h1.6
  text "V+" at 211.99,19.55 h1.6
  text "V+" at 219.61,19.55 h1.6
  text "V+" at 234.99,19.55 h1.6
  text "V+" at 242.61,19.55 h1.6
  text "D34" at 29.9,18.5 h3.5
  text "D35" at 52.9,18.5 h3.5
  text "D36" at 75.9,18.5 h3.5
  text "D37" at 98.9,18.5 h3.5
  text "D42" at 121.9,18.5 h3.5
  text "D43" at 144.9,18.5 h3.5
  text "D44" at 167.9,18.5 h3.5
  text "D45" at 190.9,18.5 h3.5
  text "D50" at 259.9,18.5 h3.5
  text "D51" at 282.9,18.5 h3.5
  text "D52" at 305.9,18.5 h3.5
  text "D53" at 328.9,18.5 h3.5
  text "DAC1" at 350.75,18.5 h3.5
  text "AUDIO" at 397,18.5 h2.5
  text "30" at 4.99,16.987 h1.6
  text "31" at 12.61,16.978 h1.6
  text "38" at 211.99,16.987 h1.6
  text "39" at 219.61,16.978 h1.6
  text "46" at 234.99,16.987 h1.6
  text "47" at 242.61,16.978 h1.6
  text "32" at 4.99,14.412 h1.6
  text "40" at 211.99,14.412 h1.6
  text "48" at 234.99,14.412 h1.6
  text "33" at 12.61,14.407 h1.6
  text "41" at 219.61,14.407 h1.6
  text "49" at 242.61,14.407 h1.6
  text "DAC0" at 372.565,12.47 h1.2
  text "DAC1" at 380.585,12.47 h1.2
  text "34" at 4.99,11.838 h1.6
  text "35" at 12.61,11.835 h1.6
  text "42" at 211.99,11.838 h1.6
  text "43" at 219.61,11.835 h1.6
  text "50" at 234.99,11.838 h1.6
  text "51" at 242.61,11.835 h1.6
  text "GND" at 372.965,9.93 h1.2
  text "GND" at 380.585,9.93 h1.2
  text "36" at 4.99,9.39 h1.6
  text "37" at 12.61,9.39 h1.6
  text "44" at 211.99,9.39 h1.6
  text "45" at 219.61,9.39 h1.6
  text "52" at 234.99,9.39 h1.6
  text "53" at 242.61,9.39 h1.6
  text "GND" at 4.99,6.85 h1.2
  text "GND" at 12.61,6.85 h1.2
  text "GND" at 211.99,6.85 h1.2
  text "GND" at 219.61,6.85 h1.2
  text "GND" at 234.99,6.85 h1.2
  text "GND" at 242.61,6.85 h1.2
Mechanical 1:
  lines w0.05: 0,122 0.001,122 0,122 ; 0,122 0,122 ; 9.632,66.582 9.943,66.582 10.56,66.643 11.169,66.764 11.763,66.944 12.337,67.182 12.884,67.475 13.4,67.819 13.88,68.213 14.319,68.652 14.713,69.132 15.058,69.648 15.35,70.196 15.588,70.769 15.768,71.363 15.889,71.972 15.95,72.59 15.95,72.9 15.95,122 420,122 420,0 0,0 0,66.582 9.632,66.582 ; 9.632,66.582 9.632,66.582